# KiCad board alu_c.kicad_pcb (continued)
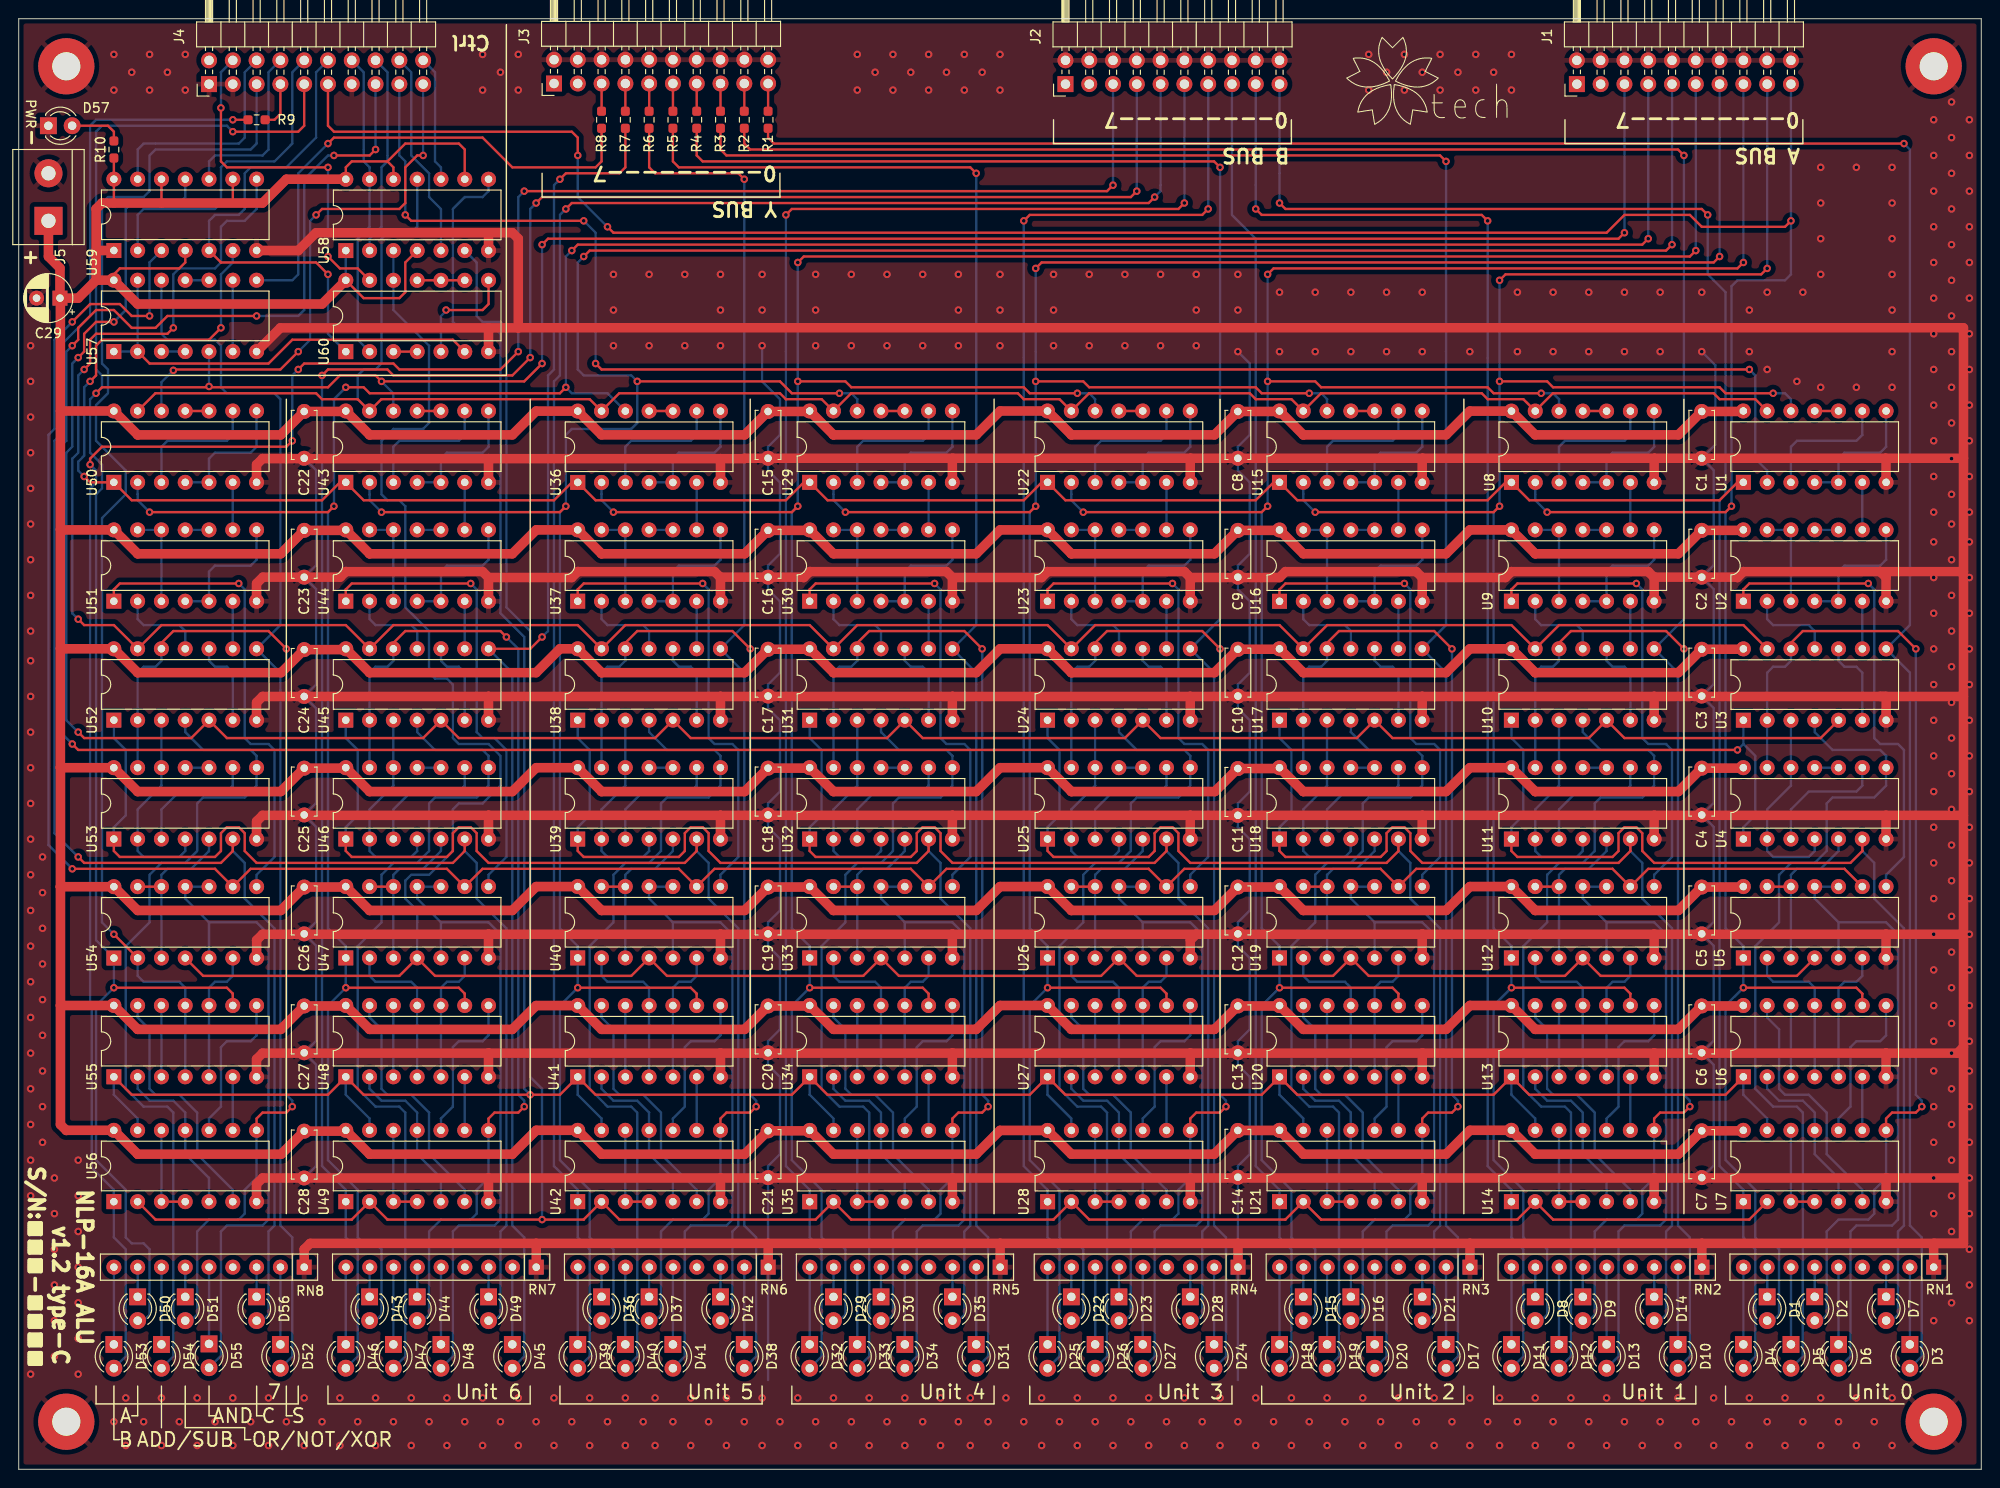
[diagram p0: board, top side]
## Routing (per net, layer and track width the routed paths; a pad name or vN(x,y) marks a point on that pad's centre or on a via; arc(x,y) is an arc through that point) (continued)
  Bottom w0.254: RN2.3 174.62,21.57 D14.1
Net-(D15-Pad1): length 3.2
  Bottom w0.254: RN3.8 137.16,21.57 D15.1
Net-(D16-Pad1): length 3.2
  Bottom w0.254: RN3.6 142.24,21.57 142.24,18.41
Net-(D17-Pad1): length 8.3
  Bottom w0.254: D17.1 152.4,21.57 RN3.2
Net-(D18-Pad1): length 8.3
  Bottom w0.254: D18.1 134.62,21.57 RN3.9
Net-(D19-Pad1): length 8.3
  Bottom w0.254: D19.1 139.7,21.57 RN3.7
Net-(D20-Pad1): length 8.3
  Bottom w0.254: RN3.5 144.78,21.57 D20.1
Net-(D21-Pad1): length 3.2
  Bottom w0.254: RN3.3 149.86,21.57 D21.1
Net-(D22-Pad1): length 3.2
  Bottom w0.254: RN4.8 112.39,21.57 D22.1
Net-(D23-Pad1): length 3.2
  Bottom w0.254: 117.49,21.59 117.47,21.57 D23.1
Net-(D24-Pad1): length 8.3
  Bottom w0.254: RN4.2 127.63,21.57 D24.1
Net-(D25-Pad1): length 8.3
  Bottom w0.254: RN4.9 109.85,21.57 D25.1
Net-(D26-Pad1): length 8.3
  Bottom w0.254: RN4.7 114.94,21.57 D26.1
Net-(D27-Pad1): length 8.3
  Bottom w0.254: RN4.5 120.01,21.57 D27.1
Net-(D28-Pad1): length 3.2
  Bottom w0.254: RN4.3 125.09,21.57 D28.1
Net-(D29-Pad1): length 3.2
  Bottom w0.254: 87,18.42 87,21.57 RN5.8
Net-(D30-Pad1): length 3.2
  Bottom w0.254: RN5.6 92.07,21.57 D30.1
Net-(D31-Pad1): length 8.3
  Bottom w0.254: RN5.2 102.23,21.57 D31.1
Net-(D32-Pad1): length 8.3
  Bottom w0.254: D32.1 84.46,21.57 RN5.9
Net-(D33-Pad1): length 8.3
  Bottom w0.254: D33.1 89.53,21.57 RN5.7
Net-(D34-Pad1): length 8.3
  Bottom w0.254: RN5.5 94.61,21.57 D34.1
Net-(D35-Pad1): length 3.2
  Bottom w0.254: RN5.3 99.69,21.57 D35.1
Net-(D36-Pad1): length 3.2
  Bottom w0.254: RN6.8 62.23,21.57 D36.1
Net-(D37-Pad1): length 3.2
  Bottom w0.254: D37.1 67.31,21.57 RN6.6
Net-(D38-Pad1): length 8.3
  Bottom w0.254: RN6.2 77.47,21.57 D38.1
Net-(D39-Pad1): length 8.3
  Bottom w0.254: D39.1 59.69,21.57 RN6.9
Net-(D40-Pad1): length 8.3
  Bottom w0.254: D40.1 64.77,21.57 RN6.7
Net-(D41-Pad1): length 8.3
  Bottom w0.254: RN6.5 69.85,21.57 D41.1
Net-(D42-Pad1): length 3.2
  Bottom w0.254: RN6.3 74.93,21.57 D42.1
Net-(D43-Pad1): length 3.2
  Bottom w0.254: D43.1 37.46,21.57 RN7.8
Net-(D44-Pad1): length 3.2
  Bottom w0.254: RN7.6 42.54,21.57 42.54,18.41
Net-(D45-Pad1): length 8.3
  Bottom w0.254: D45.1 52.71,21.57 52.72,21.59
Net-(D46-Pad1): length 8.3
  Bottom w0.254: RN7.9 34.93,21.57 D46.1
Net-(D47-Pad1): length 8.3
  Bottom w0.254: RN7.7 40.01,21.57 D47.1
Net-(D48-Pad1): length 8.3
  Bottom w0.254: D48.1 45.09,21.57 RN7.5
Net-(D49-Pad1): length 3.2
  Bottom w0.254: RN7.3 50.16,21.57 50.16,18.42
Net-(D50-Pad1): length 3.2
  Bottom w0.254: D50.1 12.7,21.57 12.72,21.59
Net-(D51-Pad1): length 3.2
  Bottom w0.254: D51.1 17.78,21.57 17.8,21.59
Net-(D52-Pad1): length 8.3
  Bottom w0.254: D52.1 27.94,21.57 27.96,21.59
Net-(D53-Pad1): length 8.3
  Bottom w0.254: 10.18,21.59 10.16,21.57 D53.1
Net-(D54-Pad1): length 8.3
  Bottom w0.254: D54.1 15.24,21.59
Net-(D55-Pad1): length 8.2
  Bottom w0.254: D55.1 20.32,21.57 20.34,21.59
Net-(D56-Pad1): length 3.2
  Bottom w0.254: D56.1 25.4,21.57 25.41,21.59
Net-(D57-Pad2): length 5.7
  Top w0.254: R10.2 10.16,142.88 9.52,143.51 D57.2
Net-(J3-Pad5): length 3
  Top w0.25: J3.5 62.24,145.06 R8.1
Net-(J3-Pad7): length 3
  Top w0.25: J3.7 64.78,145.06 R7.1
Net-(J3-Pad9): length 3
  Top w0.25: J3.9 67.31,145.06 R6.1
Net-(J3-Pad11): length 3
  Top w0.25: J3.11 69.85,145.06 R5.1
Net-(J3-Pad13): length 3
  Top w0.25: J3.13 72.4,145.06 R4.1
Net-(J3-Pad15): length 3
  Top w0.25: R3.1 74.94,145.06 J3.15
Net-(J3-Pad17): length 3
  Top w0.25: R2.1 77.47,145.06 J3.17
Net-(J3-Pad19): length 3
  Top w0.25: J3.19 80.02,145.06 R1.1
Net-(J4-Pad7): length 5.1
  Top w0.25: R9.2 27.3,144.15 27.94,144.78 J4.7
Net-(U1-Pad3): length 14.5
  Bottom w0.254: U1.9 196.84,110.5 196.85,110.49 196.22,109.86 189.86,109.86 189.22,109.22 U1.3
Net-(U1-Pad4): length 14.5
  Bottom w0.254: U1.8 199.38,109.22 199.39,109.22 198.75,108.58 194.94,108.58 194.31,107.94 U1.5 U1.4
Net-(U1-Pad6): length 5.1
  Bottom w0.254: U1.6 U2.9
Net-(U1-Pad10): length 2.5
  Top w0.254: U1.11 U1.10
Net-(U2-Pad1): length 50.7
  Top w0.254: v1(197.48,94.61) 184.78,94.61 184.14,93.97 U2.1
  Bottom w0.254: v1(197.48,94.61) 198.12,93.98 198.12,78.11 198.75,77.47 200.66,77.47 201.29,76.83 201.29,65.41 199.38,63.5 199.38,62.23
Net-(U2-Pad2): length 9.4
  Bottom w0.254: U2.2 186.69,90.81 187.32,90.17 191.13,90.17 191.77,89.53 191.77,87.63
Net-(U2-Pad4): length 14.5
  Bottom w0.254: U2.8 199.38,97.16 199.39,97.16 198.75,96.52 194.94,96.52 194.31,95.88 U2.5 U2.4
Net-(U2-Pad6): length 5.1
  Bottom w0.254: 196.85,87.63 196.84,87.64 U2.6
Net-(U2-Pad10): length 2.5
  Bottom w0.254: U2.11 U2.10
Net-(U2-Pad12): length 10.2
  Bottom w0.254: U2.3 U2.12 U2.13
Net-(U3-Pad3): length 21.9
  Bottom w0.254: U4.4 191.76,66.05 191.77,66.04 191.13,65.41 187.32,65.41 186.69,66.05 U4.2 186.69,70.48 189.23,73.03 189.22,73.03 U4.12 189.22,80 189.23,80.01
Net-(U3-Pad10): length 9.4
  Bottom w0.254: 194.31,87.63 194.31,86.36 194.94,85.72 196.22,85.72 196.85,85.09 U3.6
Net-(U4-Pad3): length 13.8
  Bottom w0.254: U4.9 196.84,73.03 196.85,73.03 196.22,72.39 191.13,72.39 189.22,70.48 U4.3
Net-(U4-Pad5): length 18.8
  Top w0.254: 186.69,62.23 189.22,62.23
  Bottom w0.254: U4.5 194.31,66.03 192.41,64.14 189.86,64.14 189.22,63.5 189.22,54.61
Net-(U4-Pad10): length 2.6
  Bottom w0.254: U4.10 191.78,74.94 191.77,74.93 191.76,74.94 U4.11
Net-(U5-Pad6): length 14.5
  Bottom w0.254: 196.84,54.61 196.84,52.71 196.85,52.7 196.22,52.07 194.94,52.07 194.31,51.43 194.31,41.91
Net-(U6-Pad2): length 18
  Bottom w0.254: 186.69,41.91 186.69,40.65 187.96,39.37 190.5,39.37 191.76,38.1 U7.11 191.76,33.66 194.31,31.12 194.31,31.11 U7.5
Net-(U6-Pad6): length 5.7
  Bottom w0.254: 196.84,41.91 U7.9
Net-(U6-Pad8): length 16.9
  Bottom w0.254: U7.10 194.31,37.46 195.58,38.74 195.58,45.09 196.22,45.72 198.75,45.72 199.39,46.35 199.38,46.36 199.38,49.53
Net-(U6-Pad12): length 7.6
  Bottom w0.254: 189.22,41.91 189.22,49.53
Net-(U6-Pad13): length 26.6
  Bottom w0.254: 186.69,49.53 186.69,48.27 187.96,46.99 187.96,40.64 188.59,40 191.13,40 193.04,38.1 193.04,33.66 196.84,29.85 U7.6
Net-(U7-Pad12): length 10.2
  Top w0.254: U7.3 U7.4
  Bottom w0.254: U7.3 U7.12
Net-(U8-Pad3): length 14.5
  Bottom w0.254: 172.08,113.04 172.08,110.5 172.09,110.49 171.45,109.86 165.1,109.86 164.46,109.22 164.46,105.42
Net-(U8-Pad4): length 14.5
  Bottom w0.254: 167,105.42 169.54,105.42 169.54,107.94 170.18,108.58 173.99,108.58 174.62,109.22 174.62,109.22 174.62,113.04
Net-(U8-Pad6): length 5.1
  Bottom w0.254: 172.08,105.42 U9.9
Net-(U8-Pad10): length 2.5
  Top w0.254: 167,113.04 169.54,113.04
Net-(U9-Pad4): length 14.5
  Bottom w0.254: U9.8 174.62,97.16 174.62,97.16 173.99,96.52 170.18,96.52 169.54,95.88 U9.5 U9.4
Net-(U9-Pad10): length 2.5
  Bottom w0.254: U9.11 U9.10
Net-(U9-Pad12): length 10.2
  Bottom w0.254: U9.13 U9.12 U9.3
Net-(U10-Pad3): length 21.9
  Bottom w0.254: 164.47,80.01 164.46,80 U11.12 164.46,73.03 164.47,73.03 161.92,70.48 U11.2 161.92,66.05 162.56,65.41 166.37,65.41 167,66.04 167,66.05 U11.4
Net-(U10-Pad9): length 5.1
  Bottom w0.254: U9.6 172.08,87.64
Net-(U10-Pad10): length 9.4
  Bottom w0.254: 172.09,80.01 172.09,85.09 171.45,85.72 170.18,85.72 169.54,86.36 169.54,87.63
Net-(U10-Pad11): length 9.4
  Bottom w0.254: U9.2 161.92,90.81 162.56,90.17 166.37,90.17 167,89.53 167,87.63
Net-(U11-Pad3): length 13.8
  Bottom w0.254: U11.3 164.46,70.48 166.37,72.39 171.45,72.39 172.09,73.03 172.08,73.03 U11.9
Net-(U11-Pad5): length 18.8
  Top w0.254: 161.92,62.23 164.46,62.23
  Bottom w0.254: U11.5 169.54,66.03 167.64,64.14 165.1,64.14 164.46,63.5 164.46,54.61
Net-(U11-Pad10): length 2.6
  Bottom w0.254: U11.10 167.01,74.94 167,74.93 167,74.94 U11.11
Net-(U12-Pad6): length 14.5
  Bottom w0.254: 172.08,54.61 172.08,52.71 172.09,52.7 171.45,52.07 170.18,52.07 169.54,51.43 169.54,41.91
Net-(U12-Pad8): length 50.7
  Top w0.254: v1(172.72,94.61) 160.02,94.61 159.38,93.97 U9.1
  Bottom w0.254: 174.62,62.23 174.62,63.5 176.53,65.41 176.53,76.83 175.89,77.47 173.99,77.47 173.35,78.11 173.35,93.98 v1(172.72,94.61)
Net-(U13-Pad2): length 18
  Bottom w0.254: U14.5 169.54,31.11 169.54,31.12 167,33.66 U14.11 167,38.1 165.73,39.37 163.19,39.37 161.92,40.65 161.92,41.91
Net-(U13-Pad6): length 5.7
  Bottom w0.254: 172.08,41.91 U14.9
Net-(U13-Pad8): length 16.9
  Bottom w0.254: U14.10 169.54,37.46 170.81,38.74 170.81,45.09 171.45,45.72 173.99,45.72 174.62,46.35 174.62,46.36 174.62,49.53
Net-(U13-Pad12): length 7.6
  Bottom w0.254: 164.46,41.91 164.46,49.53
Net-(U13-Pad13): length 26.6
  Bottom w0.254: U14.6 172.08,29.85 168.28,33.66 168.28,38.1 166.37,40 163.83,40 163.19,40.64 163.19,46.99 161.92,48.27 161.92,49.53
Net-(U14-Pad12): length 10.2
  Top w0.254: U14.3 U14.4
  Bottom w0.254: U14.3 U14.12
Net-(U15-Pad3): length 14.5
  Bottom w0.254: U15.9 147.31,110.5 147.32,110.49 146.69,109.86 140.34,109.86 139.69,109.22 U15.3
Net-(U15-Pad4): length 14.5
  Bottom w0.254: U15.4 U15.5 144.78,107.94 145.41,108.58 149.22,108.58 149.86,109.22 149.85,109.22 U15.8
Net-(U15-Pad6): length 5.1
  Bottom w0.254: U15.6 147.31,100.34
Net-(U15-Pad10): length 2.5
  Top w0.254: U15.11 U15.10
Net-(U16-Pad1): length 50.7
  Top w0.254: v1(147.95,94.61) 135.25,94.61 134.61,93.97 134.61,92.72
  Bottom w0.254: 149.85,62.23 149.85,63.5 151.76,65.41 151.76,76.83 151.13,77.47 149.22,77.47 148.59,78.11 148.59,93.98 v1(147.95,94.61)
Net-(U16-Pad2): length 9.4
  Bottom w0.254: 142.24,87.63 142.24,89.53 141.6,90.17 137.79,90.17 137.16,90.81 137.16,92.72
Net-(U16-Pad4): length 14.5
  Bottom w0.254: 142.23,92.72 144.78,92.72 144.78,95.88 145.41,96.52 149.22,96.52 149.86,97.16 149.85,97.16 149.85,100.34
Net-(U16-Pad6): length 5.1
  Bottom w0.254: 147.31,92.72 147.31,87.64
Net-(U16-Pad10): length 2.5
  Bottom w0.254: 142.23,100.34 144.78,100.34
Net-(U16-Pad12): length 10.2
  Bottom w0.254: 137.16,100.34 139.69,100.34 139.69,92.72
Net-(U17-Pad3): length 21.9
  Bottom w0.254: 139.7,80.01 139.69,80 U18.12 139.69,73.03 139.7,73.03 137.16,70.48 U18.2 137.16,66.05 137.79,65.41 141.6,65.41 142.24,66.04 142.23,66.05 U18.4
Net-(U17-Pad10): length 9.4
  Bottom w0.254: 144.78,87.63 144.78,86.36 145.41,85.72 146.69,85.72 147.32,85.09 147.32,80.01
Net-(U18-Pad3): length 13.8
  Bottom w0.254: U18.9 147.31,73.03 147.32,73.03 146.69,72.39 141.6,72.39 139.69,70.48 U18.3
Net-(U18-Pad5): length 18.8
  Top w0.254: 137.16,62.23 139.69,62.23
  Bottom w0.254: U18.5 144.78,66.03 142.88,64.14 140.34,64.14 139.69,63.5 139.69,54.61
Net-(U18-Pad10): length 2.6
  Bottom w0.254: U18.10 142.25,74.94 142.24,74.93 142.23,74.94 U18.11
Net-(U19-Pad6): length 14.5
  Bottom w0.254: 147.31,54.61 147.31,52.71 147.32,52.7 146.69,52.07 145.41,52.07 144.78,51.43 144.78,41.91
Net-(U20-Pad2): length 18
  Bottom w0.254: 144.78,28.59 144.78,31.11 144.78,31.12 142.23,33.66 142.23,38.1 140.97,39.37 138.43,39.37 137.16,40.65 137.16,41.91
Net-(U20-Pad6): length 5.7
  Bottom w0.254: 147.31,41.91 147.31,36.21
Net-(U20-Pad8): length 16.9
  Bottom w0.254: 149.85,49.53 149.85,46.36 149.86,46.35 149.22,45.72 146.69,45.72 146.05,45.09 146.05,38.74 144.78,37.46 144.78,36.21
Net-(U20-Pad12): length 7.6
  Bottom w0.254: 139.69,41.91 139.69,49.53
Net-(U20-Pad13): length 26.6
  Bottom w0.254: 147.31,28.59 147.31,29.85 143.51,33.66 143.51,38.1 141.6,40 139.06,40 138.43,40.64 138.43,46.99 137.16,48.27 137.16,49.53
Net-(U21-Pad12): length 10.2
  Top w0.254: 139.69,28.59 142.23,28.59
  Bottom w0.254: 139.69,28.59 139.69,36.21
Net-(U22-Pad3): length 14.5
  Bottom w0.254: U22.9 122.55,110.5 122.56,110.49 121.92,109.86 115.57,109.86 114.93,109.22 U22.3
Net-(U22-Pad4): length 14.5
  Bottom w0.254: U22.4 U22.5 120.01,107.94 120.65,108.58 124.46,108.58 125.09,109.22 125.09,109.22 U22.8
Net-(U22-Pad6): length 5.1
  Bottom w0.254: U22.6 U23.9
Net-(U22-Pad10): length 2.5
  Top w0.254: U22.11 U22.10
Net-(U23-Pad1): length 50.7
  Top w0.254: U23.1 109.85,93.97 110.49,94.61 v1(123.19,94.61)
  Bottom w0.254: 125.09,62.23 125.09,63.5 127,65.41 127,76.83 126.36,77.47 124.46,77.47 123.82,78.11 123.82,93.98 v1(123.19,94.61)
Net-(U23-Pad2): length 9.4
  Bottom w0.254: 117.47,87.63 117.47,89.53 116.84,90.17 113.03,90.17 112.39,90.81 U23.2
Net-(U23-Pad4): length 14.5
  Bottom w0.254: U23.8 125.09,97.16 125.09,97.16 124.46,96.52 120.65,96.52 120.01,95.88 U23.5 U23.4
Net-(U23-Pad6): length 5.1
  Bottom w0.254: U23.6 122.55,87.64
Net-(U23-Pad10): length 2.5
  Bottom w0.254: U23.11 U23.10
Net-(U23-Pad12): length 10.2
  Bottom w0.254: U23.3 U23.12 U23.13
Net-(U24-Pad3): length 21.9
  Bottom w0.254: 114.94,80.01 114.93,80 U25.12 114.93,73.03 114.94,73.03 112.39,70.48 U25.2 112.39,66.05 113.03,65.41 116.84,65.41 117.47,66.04 117.47,66.05 U25.4
Net-(U24-Pad10): length 9.4
  Bottom w0.254: 120.01,87.63 120.01,86.36 120.65,85.72 121.92,85.72 122.56,85.09 122.56,80.01
Net-(U25-Pad3): length 13.8
  Bottom w0.254: U25.3 114.93,70.48 116.84,72.39 121.92,72.39 122.56,73.03 122.55,73.03 U25.9
Net-(U25-Pad5): length 18.8
  Top w0.254: 112.39,62.23 114.93,62.23
  Bottom w0.254: 114.93,54.61 114.93,63.5 115.57,64.14 118.11,64.14 120.01,66.03 U25.5
Net-(U25-Pad10): length 2.6
  Bottom w0.254: U25.10 117.48,74.94 117.47,74.93 117.47,74.94 U25.11
Net-(U26-Pad6): length 14.5
  Bottom w0.254: 122.55,54.61 122.55,52.71 122.56,52.7 121.92,52.07 120.65,52.07 120.01,51.43 120.01,41.91
Net-(U27-Pad2): length 18
  Bottom w0.254: 112.39,41.91 112.39,40.65 113.66,39.37 116.2,39.37 117.47,38.1 117.47,33.66 120.01,31.12 120.01,31.11 120.01,28.59
Net-(U27-Pad6): length 5.7
  Bottom w0.254: 122.55,41.91 122.55,36.21
Net-(U27-Pad8): length 16.9
  Bottom w0.254: 120.01,36.21 120.01,37.46 121.28,38.74 121.28,45.09 121.92,45.72 124.46,45.72 125.09,46.35 125.09,46.36 125.09,49.53
Net-(U27-Pad12): length 7.6
  Bottom w0.254: 114.93,41.91 114.93,49.53
Net-(U27-Pad13): length 26.6
  Bottom w0.254: 122.55,28.59 122.55,29.85 118.75,33.66 118.75,38.1 116.84,40 114.3,40 113.66,40.64 113.66,46.99 112.39,48.27 112.39,49.53
Net-(U28-Pad12): length 10.2
  Top w0.254: 114.93,28.59 117.47,28.59
  Bottom w0.254: 114.93,28.59 114.93,36.21
Net-(U29-Pad3): length 14.5
  Bottom w0.254: U29.9 97.15,110.5 97.16,110.49 96.52,109.86 90.17,109.86 89.53,109.22 U29.3
Net-(U29-Pad4): length 14.5
  Bottom w0.254: U29.4 U29.5 94.61,107.94 95.25,108.58 99.06,108.58 99.69,109.22 99.69,109.22 U29.8
Net-(U29-Pad6): length 5.1
  Bottom w0.254: U29.6 U30.9
Net-(U29-Pad10): length 2.5
  Top w0.254: U29.11 U29.10
Net-(U30-Pad1): length 50.7
  Top w0.254: v1(97.79,94.61) 85.09,94.61 84.45,93.97 U30.1
  Bottom w0.254: 99.69,62.23 99.69,63.5 101.6,65.41 101.6,76.83 100.97,77.47 99.06,77.47 98.42,78.11 98.42,93.98 v1(97.79,94.61)
Net-(U30-Pad2): length 9.4
  Bottom w0.254: 92.07,87.63 92.07,89.53 91.44,90.17 87.63,90.17 86.99,90.81 U30.2
Net-(U30-Pad4): length 14.5
  Bottom w0.254: U30.4 U30.5 94.61,95.88 95.25,96.52 99.06,96.52 99.69,97.16 99.69,97.16 U30.8
Net-(U30-Pad6): length 5.1
  Bottom w0.254: U30.6 97.15,87.64
Net-(U30-Pad10): length 2.5
  Bottom w0.254: U30.11 U30.10
Net-(U30-Pad12): length 10.2
  Bottom w0.254: U30.3 U30.12 U30.13
Net-(U31-Pad3): length 21.9
  Bottom w0.254: U32.4 92.07,66.05 92.07,66.04 91.44,65.41 87.63,65.41 86.99,66.05 U32.2 86.99,70.48 89.53,73.03 89.53,73.03 U32.12 89.53,80 89.53,80.01
Net-(U31-Pad10): length 9.4
  Bottom w0.254: 94.61,87.63 94.61,86.36 95.25,85.72 96.52,85.72 97.16,85.09 97.16,80.01
Net-(U32-Pad3): length 13.8
  Bottom w0.254: U32.9 97.15,73.03 97.16,73.03 96.52,72.39 91.44,72.39 89.53,70.48 U32.3
Net-(U32-Pad5): length 18.8
  Top w0.254: 86.99,62.23 89.53,62.23
  Bottom w0.254: U32.5 94.61,66.03 92.71,64.14 90.17,64.14 89.53,63.5 89.53,54.61
Net-(U32-Pad10): length 2.6
  Bottom w0.254: U32.10 92.09,74.94 92.07,74.93 92.07,74.94 U32.11
Net-(U33-Pad6): length 14.5
  Bottom w0.254: 97.15,54.61 97.15,52.71 97.16,52.7 96.52,52.07 95.25,52.07 94.61,51.43 94.61,41.91
Net-(U34-Pad2): length 18
  Bottom w0.254: 86.99,41.91 86.99,40.65 88.26,39.37 90.81,39.37 92.07,38.1 92.07,33.66 94.61,31.12 94.61,31.11 94.61,28.59
Net-(U34-Pad6): length 5.7
  Bottom w0.254: 97.15,41.91 97.15,36.21
Net-(U34-Pad8): length 16.9
  Bottom w0.254: 99.69,49.53 99.69,46.36 99.69,46.35 99.06,45.72 96.52,45.72 95.88,45.09 95.88,38.74 94.61,37.46 94.61,36.21
Net-(U34-Pad12): length 7.6
  Bottom w0.254: 89.53,41.91 89.53,49.53
Net-(U34-Pad13): length 26.6
  Bottom w0.254: 86.99,49.53 86.99,48.27 88.26,46.99 88.26,40.64 88.9,40 91.44,40 93.34,38.1 93.34,33.66 97.15,29.85 97.15,28.59
Net-(U35-Pad12): length 10.2
  Top w0.254: 89.53,28.59 92.07,28.59
  Bottom w0.254: 89.53,28.59 89.53,36.21
Net-(U36-Pad3): length 14.5
  Bottom w0.254: 64.77,105.42 64.77,109.22 65.41,109.86 71.75,109.86 72.39,110.49 72.38,110.5 72.38,113.04
Net-(U36-Pad4): length 14.5
  Bottom w0.254: 67.31,105.42 69.84,105.42 69.84,107.94 70.49,108.58 74.29,108.58 74.93,109.22 74.93,109.22 74.93,113.04
Net-(U36-Pad6): length 5.1
  Bottom w0.254: 72.38,105.42 U37.9
Net-(U36-Pad10): length 2.5
  Top w0.254: 67.31,113.04 69.84,113.04
Net-(U37-Pad1): length 50.7
  Top w0.254: v1(73.03,94.61) 60.32,94.61 59.68,93.97 U37.1
  Bottom w0.254: v1(73.03,94.61) 73.66,93.98 73.66,78.11 74.29,77.47 76.2,77.47 76.84,76.83 76.84,65.41 74.93,63.5 74.93,62.23
Net-(U37-Pad2): length 9.4
  Bottom w0.254: U37.2 62.23,90.81 62.87,90.17 66.68,90.17 67.31,89.53 67.31,87.63
Net-(U37-Pad4): length 14.5
  Bottom w0.254: U37.4 U37.5 69.84,95.88 70.49,96.52 74.29,96.52 74.93,97.16 74.93,97.16 U37.8
Net-(U37-Pad6): length 5.1
  Bottom w0.254: U37.6 72.38,87.64
Net-(U37-Pad10): length 2.5
  Bottom w0.254: U37.11 U37.10
Net-(U37-Pad12): length 10.2
  Bottom w0.254: U37.3 U37.12 U37.13
Net-(U38-Pad3): length 21.9
  Bottom w0.254: U39.4 67.31,66.05 67.31,66.04 66.68,65.41 62.87,65.41 62.23,66.05 U39.2 62.23,70.48 64.77,73.03 64.77,73.03 U39.12 64.77,80 64.77,80.01
Net-(U38-Pad10): length 9.4
  Bottom w0.254: 72.39,80.01 72.39,85.09 71.75,85.72 70.49,85.72 69.85,86.36 69.85,87.63
Net-(U39-Pad3): length 13.8
  Bottom w0.254: U39.9 72.38,73.03 72.39,73.03 71.75,72.39 66.68,72.39 64.77,70.48 U39.3
Net-(U39-Pad5): length 18.8
  Top w0.254: 62.23,62.23 64.77,62.23
  Bottom w0.254: U39.5 69.84,66.03 67.94,64.14 65.41,64.14 64.77,63.5 64.77,54.61
Net-(U39-Pad10): length 2.6
  Bottom w0.254: U39.10 67.32,74.94 67.31,74.93 67.31,74.94 U39.11
Net-(U40-Pad6): length 14.5
  Bottom w0.254: 69.84,41.91 69.84,51.43 70.49,52.07 71.75,52.07 72.39,52.7 72.38,52.71 72.38,54.61
Net-(U41-Pad2): length 18
  Bottom w0.254: U42.5 69.84,31.11 69.85,31.12 67.31,33.66 U42.11 67.31,38.1 66.04,39.37 63.5,39.37 62.23,40.65 62.23,41.91
Net-(U41-Pad6): length 5.7
  Bottom w0.254: 72.38,41.91 U42.9
Net-(U41-Pad8): length 16.9
  Bottom w0.254: U42.10 69.84,37.46 71.12,38.74 71.12,45.09 71.75,45.72 74.29,45.72 74.93,46.35 74.93,46.36 74.93,49.53
Net-(U41-Pad12): length 7.6
  Bottom w0.254: 64.77,41.91 64.77,49.53
Net-(U41-Pad13): length 26.6
  Bottom w0.254: U42.6 72.38,29.85 68.58,33.66 68.58,38.1 66.68,40 64.13,40 63.5,40.64 63.5,46.99 62.23,48.27 62.23,49.53
Net-(U42-Pad12): length 10.2
  Top w0.254: U42.3 U42.4
  Bottom w0.254: U42.3 U42.12
Net-(U43-Pad3): length 14.5
  Bottom w0.254: U43.9 47.62,110.5 47.63,110.49 46.99,109.86 40.64,109.86 40,109.22 40,105.42
Net-(U43-Pad4): length 14.5
  Bottom w0.254: 50.16,113.04 50.16,109.22 50.16,109.22 49.53,108.58 45.72,108.58 45.08,107.94 45.08,105.42 U43.4
Net-(U43-Pad6): length 5.1
  Bottom w0.254: U43.6 U44.9
Net-(U43-Pad10): length 2.5
  Top w0.254: U43.11 45.08,113.04
Net-(U44-Pad1): length 50.4
  Top w0.254: U44.1 34.92,93.97 35.56,94.61 v1(48.26,94.61)
  Bottom w0.254: v1(48.26,94.61) 48.9,93.98 48.9,78.74 49.53,78.11 50.8,78.11 52.07,76.83 52.07,65.41 50.16,63.5 50.16,62.23
Net-(U44-Pad2): length 9.4
  Bottom w0.254: 42.54,87.63 42.54,89.53 41.91,90.17 38.1,90.17 37.46,90.81 U44.2
Net-(U44-Pad4): length 14.5
  Bottom w0.254: U44.4 45.08,92.72 45.08,95.88 45.72,96.52 49.53,96.52 50.16,97.16 50.16,97.16 50.16,100.34
Net-(U44-Pad6): length 5.1
  Bottom w0.254: U44.6 47.62,87.64
Net-(U44-Pad10): length 2.5
  Bottom w0.254: U44.11 45.08,100.34
Net-(U44-Pad12): length 10.2
  Bottom w0.254: U44.13 40,100.34 40,92.72
Net-(U45-Pad3): length 21.9
  Bottom w0.254: U46.4 42.54,66.05 42.54,66.04 41.91,65.41 38.1,65.41 37.46,66.05 U46.2 37.46,70.48 40.01,73.03 40,73.03 40,80 40.01,80.01
Net-(U45-Pad10): length 9.4
  Bottom w0.254: 47.63,80.01 47.63,85.09 46.99,85.72 45.72,85.72 45.09,86.36 45.09,87.63
Net-(U46-Pad3): length 13.8
  Bottom w0.254: U46.9 47.62,73.03 47.63,73.03 46.99,72.39 41.91,72.39 40,70.48 40,67.32
Net-(U46-Pad5): length 18.8
  Top w0.254: 37.46,62.23 40,62.23
  Bottom w0.254: 40,54.61 40,63.5 40.64,64.14 43.18,64.14 45.08,66.03 45.08,67.32
Net-(U46-Pad10): length 2.6
  Bottom w0.254: U46.11 42.54,74.94 42.54,74.93 42.55,74.94 45.08,74.94
Net-(U47-Pad6): length 14.5
  Bottom w0.254: 45.08,41.91 45.08,51.43 45.72,52.07 46.99,52.07 47.63,52.7 47.62,52.71 47.62,54.61
Net-(U48-Pad2): length 18
  Bottom w0.254: 45.08,28.59 45.08,31.11 45.09,31.12 42.54,33.66 U49.11 42.54,38.1 41.27,39.37 38.74,39.37 37.46,40.65 37.46,41.91
Net-(U48-Pad6): length 5.7
  Bottom w0.254: 47.62,41.91 U49.9
Net-(U48-Pad8): length 16.9
  Bottom w0.254: 45.08,36.21 45.08,37.46 46.35,38.74 46.35,45.09 46.99,45.72 49.53,45.72 50.16,46.35 50.16,46.36 50.16,49.53
Net-(U48-Pad12): length 7.6
  Bottom w0.254: 40,41.91 40,49.53
Net-(U48-Pad13): length 26.6
  Bottom w0.254: U49.6 47.62,29.85 43.82,33.66 43.82,38.1 41.91,40 39.37,40 38.74,40.64 38.74,46.99 37.46,48.27 37.46,49.53
Net-(U49-Pad12): length 10.2
  Top w0.254: 40,28.59 U49.4
  Bottom w0.254: 40,28.59 40,36.21
Net-(U50-Pad3): length 14.5
  Bottom w0.254: U50.3 15.23,109.22 15.88,109.86 22.23,109.86 22.86,110.49 22.85,110.5 U50.9
Net-(U50-Pad4): length 14.5
  Bottom w0.254: U50.4 U50.5 20.32,107.94 20.95,108.58 24.77,108.58 25.4,109.22 25.4,109.22 U50.8
Net-(U50-Pad6): length 5.1
  Bottom w0.254: U50.6 U51.9
Net-(U50-Pad10): length 2.5
  Top w0.254: U50.11 U50.10
Net-(U51-Pad1): length 50.7
  Top w0.254: U51.1 10.16,93.97 10.8,94.61 v1(23.49,94.61)
  Bottom w0.254: 25.4,62.23 25.4,63.5 27.3,65.41 27.3,76.83 26.67,77.47 24.77,77.47 24.13,78.11 24.13,93.98 v1(23.49,94.61)
Net-(U51-Pad2): length 9.4
  Bottom w0.254: U51.2 12.7,90.81 13.34,90.17 17.15,90.17 17.78,89.53 17.78,87.63
Net-(U51-Pad4): length 14.5
  Bottom w0.254: U51.8 25.4,97.16 25.4,97.16 24.77,96.52 20.95,96.52 20.32,95.88 U51.5 U51.4
Net-(U51-Pad6): length 5.1
  Bottom w0.254: U51.6 22.85,87.64
Net-(U51-Pad10): length 2.5
  Bottom w0.254: U51.11 U51.10
Net-(U51-Pad12): length 10.2
  Bottom w0.254: U51.3 U51.12 U51.13
Net-(U52-Pad3): length 21.9
  Bottom w0.254: 15.24,80.01 15.23,80 U53.12 15.23,73.03 15.24,73.03 12.7,70.48 U53.2 12.7,66.05 13.34,65.41 17.15,65.41 17.78,66.04 17.77,66.05 U53.4
Net-(U52-Pad10): length 9.4
  Bottom w0.254: 22.86,80.01 22.86,85.09 22.23,85.72 20.95,85.72 20.32,86.36 20.32,87.63
Net-(U53-Pad3): length 13.8
  Bottom w0.254: U53.3 15.23,70.48 17.15,72.39 22.23,72.39 22.86,73.03 22.85,73.03 U53.9
Net-(U53-Pad5): length 18.8
  Top w0.254: 12.7,62.23 15.23,62.23
  Bottom w0.254: U53.5 20.32,66.03 18.41,64.14 15.88,64.14 15.23,63.5 15.23,54.61
Net-(U53-Pad10): length 2.6
  Bottom w0.254: U53.10 17.79,74.94 17.78,74.93 17.77,74.94 U53.11
Net-(U54-Pad6): length 14.5
  Bottom w0.254: 22.85,54.61 22.85,52.71 22.86,52.7 22.23,52.07 20.95,52.07 20.32,51.43 20.32,41.91
Net-(U55-Pad2): length 18
  Bottom w0.254: U56.5 20.32,31.11 20.32,31.12 17.77,33.66 U56.11 17.77,38.1 16.51,39.37 13.97,39.37 12.7,40.65 12.7,41.91
Net-(U55-Pad6): length 5.7
  Bottom w0.254: 22.85,41.91 U56.9
Net-(U55-Pad8): length 16.9
  Bottom w0.254: U56.10 20.32,37.46 21.59,38.74 21.59,45.09 22.23,45.72 24.77,45.72 25.4,46.35 25.4,46.36 25.4,49.53
Net-(U55-Pad12): length 7.6
  Bottom w0.254: 15.23,41.91 15.23,49.53
Net-(U55-Pad13): length 26.6
  Bottom w0.254: U56.6 22.85,29.85 19.05,33.66 19.05,38.1 17.15,40 14.61,40 13.97,40.64 13.97,46.99 12.7,48.27 12.7,49.53
Net-(U56-Pad12): length 10.2
  Top w0.254: U56.3 U56.4
  Bottom w0.254: U56.3 U56.12
Net-(U57-Pad3): length 2.5
  Bottom w0.254: U57.3 U57.4
Net-(U57-Pad6): length 7.6
  Bottom w0.254: U57.6 U57.9
Net-(U57-Pad10): length 2.5
  Bottom w0.254: U57.11 U57.10
Net-(U60-Pad3): length 2.5
  Top w0.254: U60.3 U60.4
Net-(U60-Pad5): length 12
  Top w0.25: v1(45.63,123.83) 49.53,123.83 50.16,124.46 U60.8
  Bottom w0.25: U60.5 45.09,123.19 45.63,123.73 v1(45.63,123.83)
Net-(U60-Pad10): length 5.1
  Top w0.25: U60.9 U60.10 U60.11

## Copper pours and planes (outline as drawn; the poured copper is in the pictures)
GND on Top, Bottom: 209.55,0 0,0 0,154.94 209.55,154.94

## Text on the board
F.Silkscreen: PWR | A | B | ADD/SUB | AND | C | 7 | S | OR/NOT/XOR | Unit 6 | Unit 5 | Unit 4 | Unit 3 | Unit 2 | Unit 1 | Unit 0 | + | - | Ctrl | 0---------7 | Y BUS | B BUS | A BUS | NLP-16A ALU / v1.2 type-C / S/N:■■■-■■■■
